# Altium PCB AI Gateway - Carrier.PcbDoc (part 3 of 3) (continued)
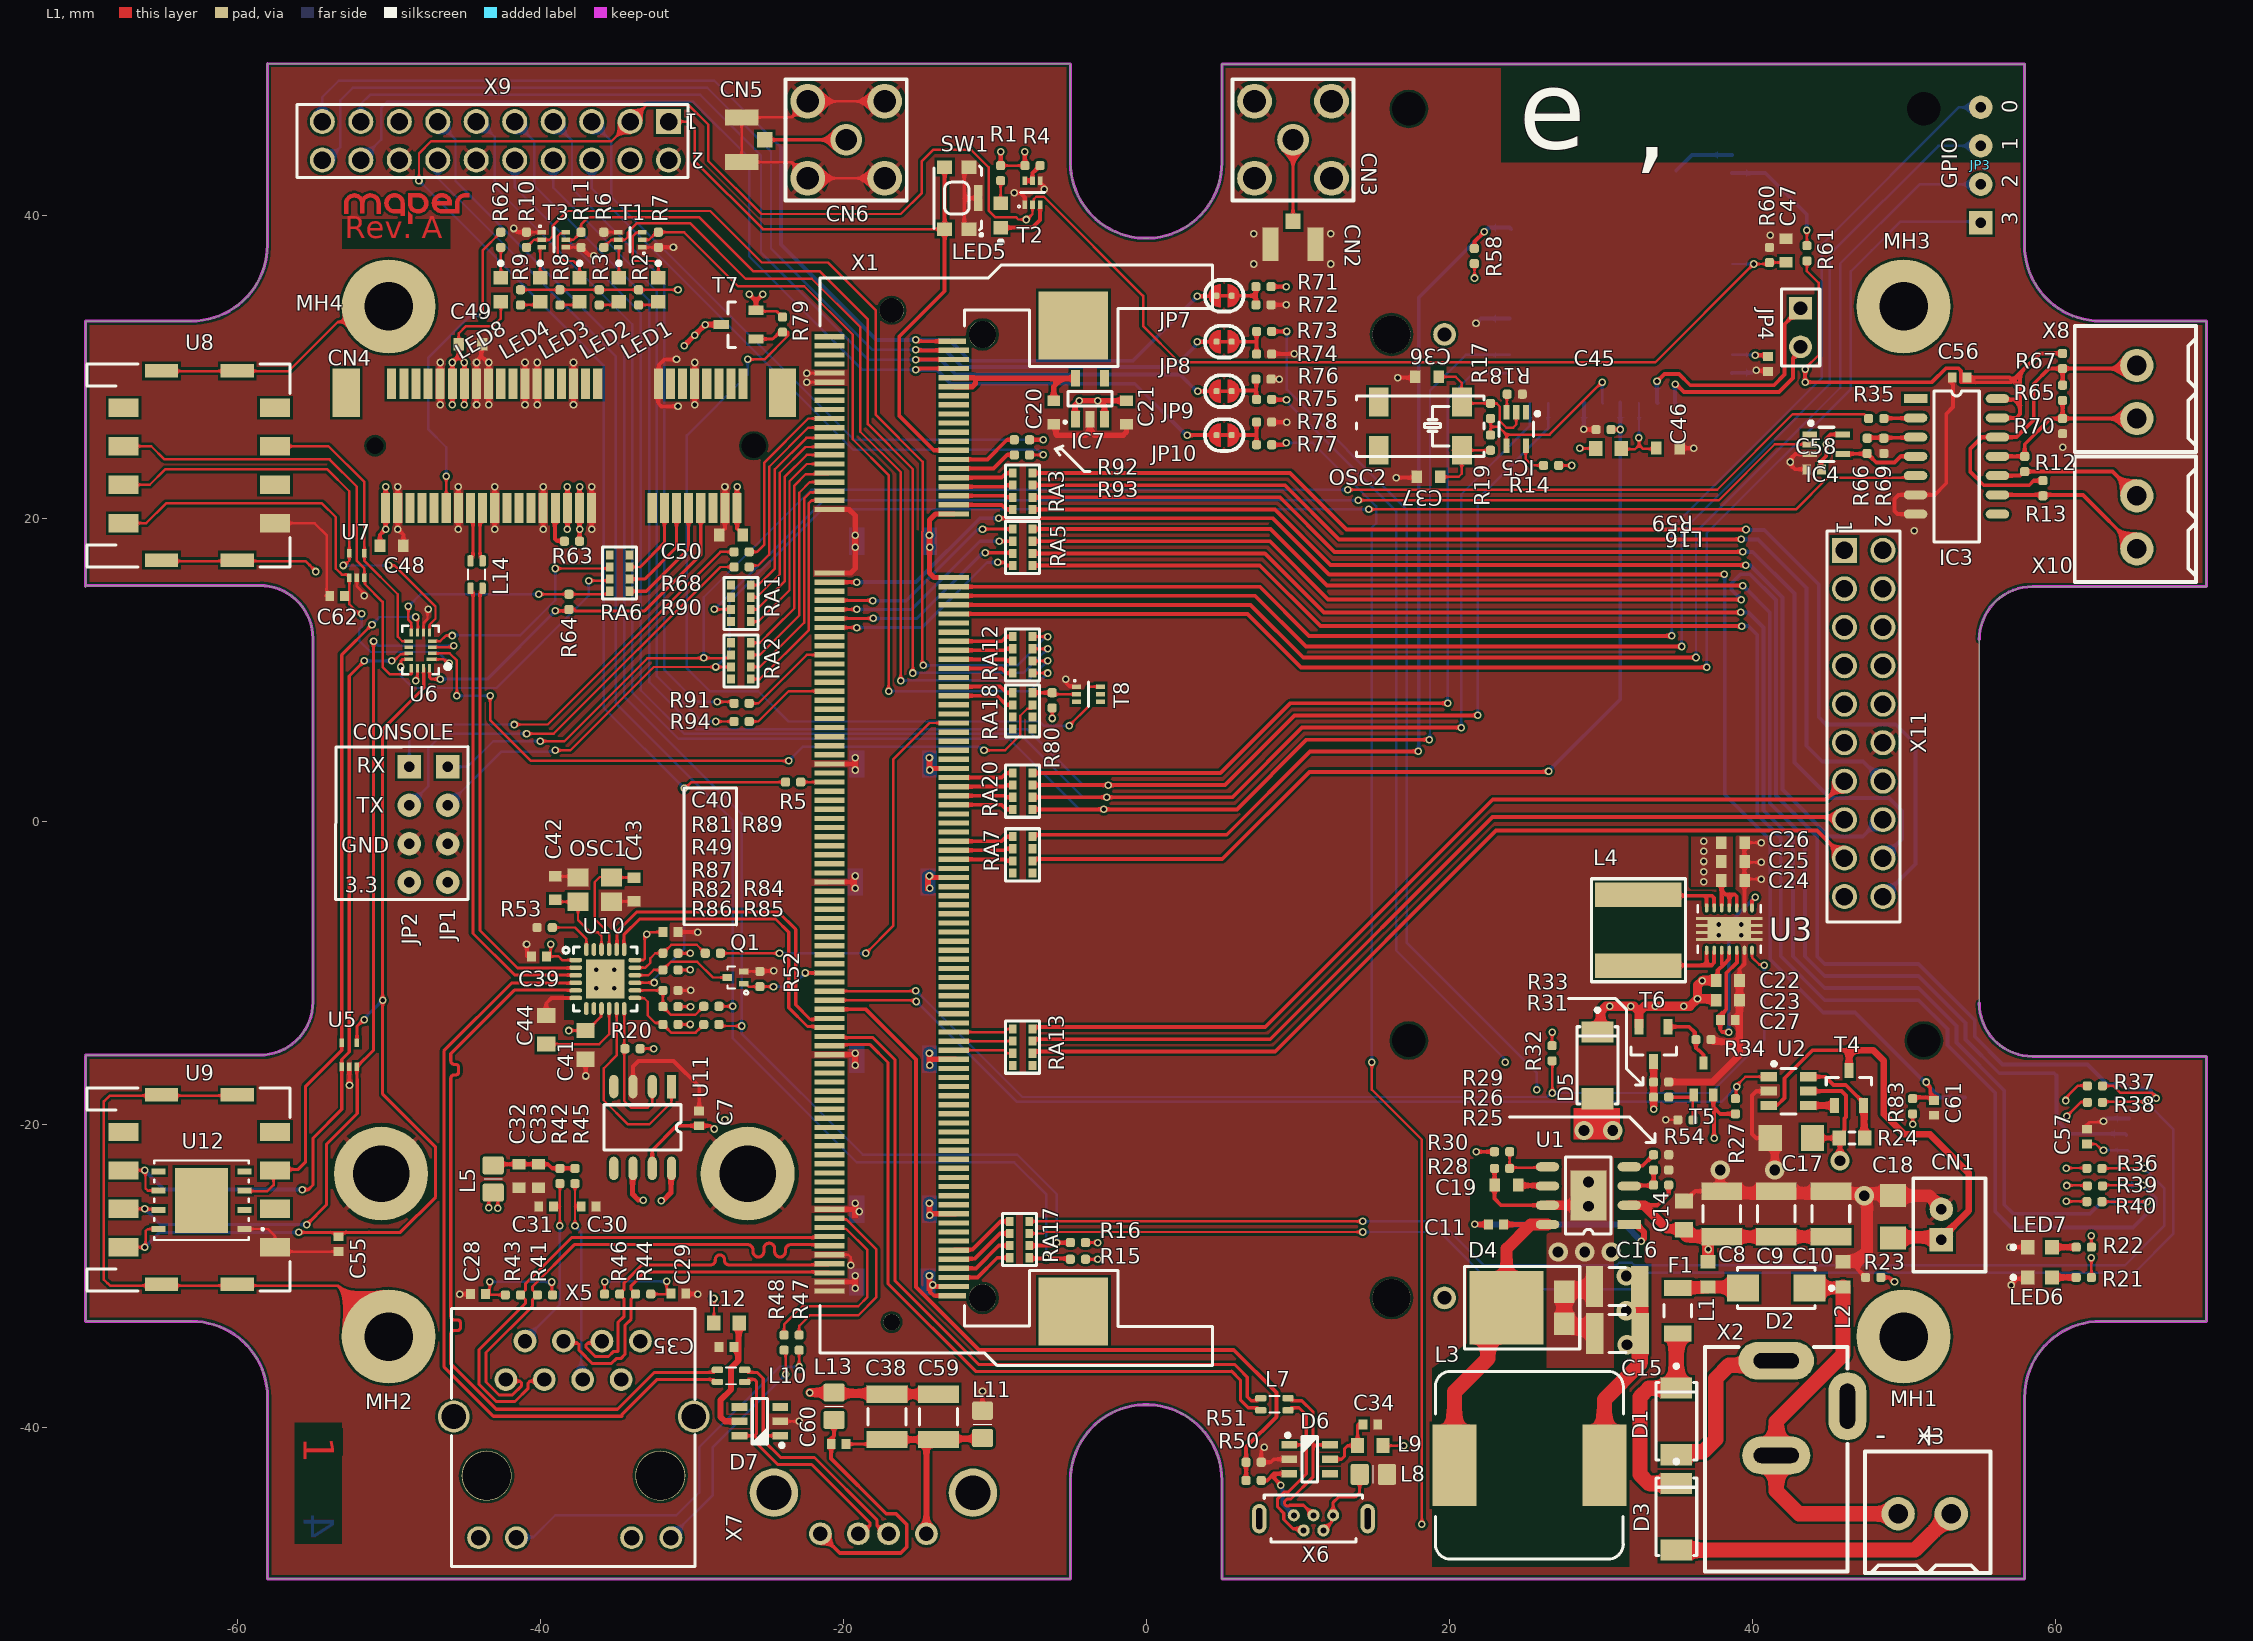
[diagram p0: L1 view]
## Nets (pads, with @x,y where several pads share a name; then routed paths per layer and width w, separated by ;. In a path a pad name is that pad's centre, name@x,y a point inside that pad or via, vN(x,y) a via of type N, cw(c..) or ccw(c..) an arc to the next point about the centre after c; other vN are vias at no path point) (continued)
UART_A_RXD_S: RA2.6 X1.33 | length 14.7
  L1 w0.16: RA2.6@-26.1,11 -25.5,11 -22.9,13.6 -22.9,21.7 -22.2,22.4 X1.33@-20.9,22.4
UART_A_TXD_S: RA2.7 X1.35 | length 14.8
  L1 w0.16: RA2.7@-26.1,10.2 -25.5,10.2 -22.58,13.12 -22.58,21.32 -22.18,21.72 -20.98,21.72 X1.35@-20.9,21.8
UART_B_CTS_S: RA3.1 X1.32 | length 3.9
  L1 w0.254: X1.32@-12.6,22.7 -9.525,22.7 -9.225,23 RA3.1@-8.8,23
UART_B_RTS_S: RA3.2 X1.34 | length 3.8
  L1 w0.254: X1.34@-12.6,22.1 -9.325,22.1 -9.225,22.2 RA3.2@-8.8,22.2
UART_B_RXD_S: RA3.3 X1.36 | length 3.8
  L1 w0.254: X1.36@-12.6,21.5 -9.325,21.5 -9.225,21.4 RA3.3@-8.8,21.4
UART_B_TXD_S: RA3.4 X1.38 | length 3.9
  L1 w0.254: X1.38@-12.6,20.9 -9.525,20.9 -9.225,20.6 RA3.4@-8.8,20.6
UART_C_RXD: JP2.1 R68.1 | length 28.3
  L1 w0.16: v1(-41.7,6.4) -39.5,6.4 -28.1,17.8 R68.1@-27.2,17.8
  L4 w0.16: JP2.1@-48.64,3.61 -48.64,5.36 -47.6,6.4 v1(-41.7,6.4)
UART_C_RXD_S: R68.2 X1.19 | length 12.1
  L1 w0.16: R68.2@-26.2,17.8 -25.694,17.8 -25.2,18.294 -25.2,23.7 -22.3,26.6 X1.19@-20.9,26.6
UART_C_TXD: JP2.2 R90.1 | length 29.4
  L1 w0.16: v1(-40.9,5.8) -39.1,5.8 -28.1,16.8 R90.1@-27.2,16.8
  L4 w0.16: JP2.2@-48.64,1.07 -47.4,2.31 -47.4,4.8 -46.4,5.8 v1(-40.9,5.8)
UART_C_TXD_S: R90.2 X1.21 | length 12.5
  L1 w0.16: R90.2@-26.2,16.8 -26.1,16.9 -25.6,16.9 -24.88,17.62 -24.88,23.42 -22.3,26 X1.21@-20.9,26
USB2_C_N: D7.6 L10.3 X7.2 | length 16.9
  L1 w0.206: D7.6@-26.85,-40.55 -25.85,-40.55 ; L10.3@-26.5,-37 -26.334,-37 -26.163,-36.83 -25.862,-36.83 -25.73,-36.962 -25.73,-40.43 -25.85,-40.55 ; X7.2@-19,-47.02 -18.786,-47.02 -18.23,-46.464 -18.23,-46.293 -22.076,-42.447 -24.314,-42.447 -25.73,-41.031 -25.73,-40.67 -25.85,-40.55
USB2_C_P: D7.1 L10.2 X7.3 | length 17.7
  L1 w0.206: L10.2@-26.5,-36.2 -26.334,-36.2 -26.163,-36.37 -25.672,-36.37 -25.27,-36.772 -25.27,-40.43 -25.15,-40.55 ; D7.1@-24.15,-40.55 -25.15,-40.55 ; X7.3@-17,-47.02 -17.214,-47.02 -17.77,-46.464 -17.77,-46.103 -21.886,-41.988 -24.123,-41.988 -25.27,-40.841 -25.27,-40.67 -25.15,-40.55
USB_C_DET: R50.2 R51.1 X1.137 | length 55.4
  L1 w0.254: X1.137@-20.9,-12.4 -18.5,-12.4 -15.184,-15.716 -15.184,-30.722 -11.019,-34.887 5.787,-34.887 8.6,-37.7 8.6,-39.3 6.6,-41.3 R51.1@6.6,-42.3 R50.2@6.6,-43.5
USB_OC: R20.2 U10.12 U11.2 | length 9.4
  L1 w0.16: U10.12@-34.45,-12.35 -34.45,-18.45 -34,-18.9 -32.9,-18.9 -32.6,-18.6 U11.2@-32.6,-17.5
USB_P_EN: Q1.3 R49.1 U10.16 | length 6.9
  L1 w0.16: U10.16@-33.75,-10.15 -32.85,-10.15 -32.5,-9.8 R49.1@-31.9,-9.8 -31.36,-9.26 -29.64,-9.26 -28.6,-10.3 Q1.3@-27.645,-10.3
USB_P_ENn: Q1.1 R52.1 X1.129 | length 6.1
  L1 w0.16: Q1.1@-26.556,-10.7 -26.437,-10.7 -26.237,-10.9 R52.1@-25.5,-10.9 -24.6,-10.9 v1(-24.597,-10.897)
  L1 w0.206: v1(-22.5,-10) X1.129@-20.9,-10
  L4 w0.16: v1(-24.597,-10.897) -23.397,-10.897 v1(-22.5,-10)
USB_PWR_EN: U10.11 U11.1 | length 13.2
  L1 w0.16: U10.11@-34.95,-12.35 -34.95,-15.45 -35.8,-16.3 -35.8,-18.4 -34.2,-20 -32.8,-20 -31.33,-18.53 U11.1@-31.33,-17.5
USBA_N: CN4.36 L14.3 | length 3.6
  L1 w0.206: L14.3@-43.8,17.2 -43.8,17.366 -43.97,17.536 -43.97,18.947 -43.97,20.53 CN4.36@-43.8,20.7
USBA_P: CN4.38 L14.2 | length 3.6
  L1 w0.206: L14.2@-44.6,17.2 -44.6,17.366 -44.43,17.536 -44.43,19.137 -44.43,20.53 CN4.38@-44.564,20.664
USBC_B_N: D6.1 L7.3 X6.2 | length 12.3
  L1 w0.206: L7.3@9.37,-38.87 9.536,-38.87 9.707,-38.7 10.095,-38.7 10.57,-39.175 10.57,-41.73 10.57,-43.076 9.38,-44.267 9.115,-44.267 9.071,-44.31 8.682,-44.7 8.682,-45.251 9.087,-45.656 9.087,-46.075 9.699,-46.686 10.286,-46.686 X6.2@10.4,-46.8 ; D6.1@9.45,-41.15 10.284,-41.15 10.404,-41.27 10.57,-41.27
USBC_B_P: D6.6 L7.2 X6.3 | length 12.5
  L1 w0.206: L7.2@9.37,-38.07 9.536,-38.07 9.707,-38.241 10.285,-38.241 11.03,-38.985 11.03,-41.27 ; X6.3@11.05,-45.8 10.387,-45.137 9.475,-45.137 9.432,-45.181 9.261,-45.181 9.141,-45.06 9.141,-44.89 9.261,-44.77 9.305,-44.726 9.57,-44.726 11.03,-43.266 11.03,-41.271 ; D6.6@12.15,-41.15 11.15,-41.15 11.03,-41.271
USBC_N: L7.4 X1.145 | length 48.6
  L1 w0.206: X1.145@-20.9,-14.8 -20.83,-14.73 -18.22,-14.73 -17.038,-15.913 -17.038,-30.513 -11.25,-36.3 5.65,-36.3 6.219,-36.869 6.219,-38.177 6.742,-38.7 7.234,-38.7 7.404,-38.87 L7.4@7.57,-38.87 ; 5.641,-36.291 6.219,-36.869
USBC_P: L7.1 X1.143 | length 47.8
  L1 w0.206: X1.143@-20.9,-14.2 -20.83,-14.27 -18.03,-14.27 -16.578,-15.722 -16.578,-30.322 -11.06,-35.84 5.84,-35.84 6.1,-36.1 6.678,-36.679 6.678,-37.987 6.932,-38.241 7.234,-38.241 7.404,-38.07 L7.1@7.57,-38.07
USBH1_N: L10.4 U10.4 | length 52
  L1 w0.206: U10.4@-37.65,-10.65 -37.668,-10.668 -38.01,-10.668 -38.012,-10.67 -41.89,-10.67 -46.359,-15.139 -46.359,-35.99 -43.09,-39.259 -34.61,-39.259 -34.61,-39.164 -32.275,-36.83 -28.637,-36.83 -28.466,-37 L10.4@-28.3,-37
USBH1_P: L10.1 U10.5 | length 52
  L1 w0.206: U10.5@-37.65,-11.15 -37.668,-11.132 -38.01,-11.132 -38.012,-11.13 -41.7,-11.13 -45.9,-15.33 -45.9,-15.458 -45.9,-15.818 ccw(c-45.688,-15.818) -45.688,-16.03 -45.59,-16.03 cw(c-45.59,-16.242) -45.379,-16.242 -45.379,-16.524 cw(c-45.59,-16.524) -45.59,-16.736 -45.688,-16.736 ccw(c-45.688,-16.947) -45.9,-16.947 -45.9,-17.756 -45.9,-32.208 -45.9,-32.687 ccw(c-45.688,-32.687) -45.688,-32.899 -45.468,-32.899 cw(c-45.468,-33.111) -45.257,-33.111 -45.257,-33.393 cw(c-45.468,-33.393) -45.468,-33.605 -45.688,-33.605 ccw(c-45.688,-33.816) -45.9,-33.816 -45.9,-34.625 -45.9,-35.8 -42.9,-38.8 -34.895,-38.8 -32.466,-36.37 -28.637,-36.37 -28.466,-36.2 L10.1@-28.3,-36.2
USBH2_N: L14.4 U10.2 | length 30
  L1 w0.206: L14.4@-43.8,15.4 -43.8,15.234 -43.97,15.063 -43.97,-7.2 -41.5,-9.67 -38.012,-9.67 -38.01,-9.668 -37.668,-9.668 U10.2@-37.65,-9.65
USBH2_P: L14.1 U10.3 | length 30.8
  L1 w0.206: L14.1@-44.6,15.4 -44.6,15.234 -44.43,15.063 -44.43,-7.39 -41.688,-10.132 -37.668,-10.132 U10.3@-37.65,-10.15
USBH_N: U10.19 X1.141 | length 20.9
  L1 w0.206: U10.19@-34.45,-8.45 -34.468,-8.432 -34.468,-8.09 -34.47,-8.088 -34.47,-7.47 -33.433,-6.433 -24.467,-6.433 -23.587,-7.313 -23.587,-12.296 -22.353,-13.53 -20.97,-13.53 X1.141@-20.9,-13.6
USBH_P: U10.20 X1.139 | length 21.6
  L1 w0.206: U10.20@-34.95,-8.45 -34.932,-8.432 -34.932,-8.09 -34.93,-8.088 -34.93,-7.28 -33.623,-5.974 -24.277,-5.974 -23.128,-7.123 -23.128,-12.105 -22.163,-13.07 -20.97,-13.07 X1.139@-20.9,-13
V_SNS: R24.1 T4.2 U2.6 | length 6.7
  L1 w0.254: U2.6@43.7,-16.85 44.85,-16.85 45.386,-17.386 46.186,-17.386 47.4,-18.6 47.4,-18.7 T4.2@47.35,-18.75 T4.2@47.4,-18.8
  L1 w0.45: R24.1@47.4,-20.85 T4.2@47.4,-18.8
VBATT: C18.2 CN1.1 R31.1 R33.2 R75.2 T4.3 T6.3 U2.3 | length 96.6
  L1 w0.254: R75.2@8.292,27.86 8.303,27.849 9.258,27.849 v1(9.269,27.838) ; U2.3@41.15,-18.7 41.7,-18.7 42.15,-18.25 42.15,-16.95 44,-15.1 46.4,-15.1
  L1 w0.45: v1(33.5,-19) R31.1@33.5,-18.2 T6.3@33.5,-15.85 ; U2.3@41.1,-18.75 U2.3@41.15,-18.7 ; T4.3@46.4,-16.45 46.4,-15.1 48,-15.1 48.7,-15.8 48.7,-19.3 50.05,-20.65 51.75,-20.65 54.3,-23.2 54.3,-25.7 CN1.1@52.552,-27.448
  L1 w0.8: C18.2@49.3,-27.497 49.348,-27.448 CN1.1@52.552,-27.448
  L3/PWR w0.16: v1(23.7,-15.9) 32.4,-15.9 33.5,-17 v1(33.5,-19)
  L4 w0.16: v1(9.269,27.838) 9.269,27.746 9.402,27.613 9.402,27.598 16.5,20.5 16.5,-8.5 23.7,-15.7 v1(23.7,-15.9)
VCC_USB1: D6.3 R50.1 X6.1 | length 5.3
  L1 w0.254: R50.1@7.6,-43.5 8,-43.5 8.45,-43.05 ; v1(8.885,-43.807) 8.885,-43.785 8.45,-43.35 8.45,-43.05 ; D6.3@9.45,-43.05 8.45,-43.05
  L4 w0.254: v1(8.885,-43.807) 8.932,-43.855 8.932,-44.032 9,-44.1 9,-45.05 X6.1@9.75,-45.8
VCC_USB2: C60.2 L13.1 X7.1 | length 17
  L1 w0.254: X7.1@-21.5,-47.02 -20.22,-48.3 -16.2,-48.3 -15.8,-47.9 -15.8,-46.4 -16.5,-45.7 -17.15,-45.7 -20.79,-42.06 C60.2@-20.79,-41.1 ; C60.2@-20.85,-40.8 -20.6,-40.55 L13.1@-20.6,-39.5
VDD_ANALOG: C20.2 IC7.5 X1.10 X1.12 | length 11.6
  L1 w0.35: X1.10@-12.7,29.3 -11.367,29.3 -11.262,29.195 -11.262,28.905 -11.467,28.7 -11.772,28.7 X1.12@-12.6,28.7 ; -11.317,29.25 -5.55,29.25 ; C20.2@-6.1,27.775 -6.1,28.7 -5.55,29.25 ; IC7.5@-4.65,29.25 -5.55,29.25
VMODEM: C48.1 C49.1 C50.1 CN4.2 CN4.20 CN4.22 CN4.39 CN4.41 CN4.52 LED8.2 R63.1 T7.3 | length 29.5
  L1 w0.16: C49.1@-45.375,31.5 -45.375,32.225 -44.9,32.7 -43.1,32.7 -42.6,33.2 LED8.2@-42.6,34.3 ; CN4.39@-45.1,28.8 CN4.39@-45,28.9
  L1 w0.254: C48.1@-50.575,18.2 -50.575,18.925 v1(-50.2,19.3) CN4.52@-50.2,20.7 v1(-50.2,22.1) ; v1(-45.8,27.5) CN4.41@-45.8,28.9 v1(-45.8,30.3) -45.375,30.725 ; C49.1@-45.375,31.5 -45.375,30.725 ; v1(-45,27.5) CN4.39@-45,28.9 v1(-45,30.3) -45,30.35 -45.375,30.725 ; v1(-38.2,19.3) CN4.22@-38.2,20.7 v1(-38.2,22.1) ; R63.1@-37.4,18.5 v1(-37.4,19.3) CN4.20@-37.4,20.7 v1(-37.4,22.1) ; v1(-27,22.1) CN4.2@-27,20.7 -27,19.347 -26.851,19.198 -26.848,19.198 -26.625,18.975 C50.1@-26.625,18.9
  L1 w0.35: v1(-30.5,31.4) v1(-29.8,32.1) -29.1,32.8 v1(-29.097,32.8) T7.3@-28.05,32.8
VSYS: C22.2 C23.2 D5.1 T6.2 U3.10 U3.11 X9.15 X11.11 | length 163.5
  L1 w0.254: C22.2@37.66,-10.359 37.729,-10.29 37.729,-9.843 38.171,-9.4 ; U3.10@38,-8.6 38,-9.4 38.171,-9.4 ; U3.11@38.5,-8.6 38.487,-8.613 38.487,-9.084 38.171,-9.4
  L1 w0.6: D5.1@29.8,-13.9 30,-13.7 30,-12.551 30.351,-12.2 v1(30.6,-12.2) v1(32,-12.2) 32.199,-12.2 32.55,-12.551 ; T6.2@32.55,-13.55 32.55,-12.551 ; C23.2@37.625,-11.8 37.625,-11.75 37.575,-11.7 v1(36.4,-11.7) ; C22.2@37.625,-10.5 v1(36.7,-10.5) 36.4,-10.8 v1(36.4,-11.7) ; 32.55,-12.551 32.901,-12.2 v1(33.6,-12.2) v1(35.5,-12.2) 35.9,-12.2 v1(36.4,-11.7)
  L3/PWR w0.8: X9.15@-49.3,46.2 -49.3,47.6 -48.5,48.4 -30.6,48.4 -29.4,47.2 -29.4,41.3 -27.7,39.6 -13.02,39.6 -11.8,40.82 -11.8,43.9 -10.2,45.5 -7.3,45.5 -5.9,44.1 -5.9,40.3 -3.3,37.7 42.934,37.7 46.025,34.609 46.025,21.725 43.7,19.4 43.7,6.1 44.6,5.2 X11.11@46.1,5.2
WIFI_CLK: IC5.4 R17.1 R19.2 U4.20 | length 12.2
  L1 w0.16: R19.2@22.735,25.505 22.735,26.055 ; R17.1@22.735,26.605 22.735,26.055 ; IC5.4@23.785,24.805 23.785,25.538 ; v1(30.1,29) 26.638,25.538 23.785,25.538 ; 22.735,26.055 23.268,26.055 23.785,25.538
  L4 w0.16: v1(30.1,29) 30.1,27.66 U4.20@30.14,27.62
WIFI_EN: R59.2 RA7.7 U4.19 | length 63.4
  L1 w0.16: R59.2@30.7,25.875 v1(31.3,25.875)
  L1 w0.254: RA7.7@-7.5,-2.6 -7.373,-2.473 5.027,-2.473 10.775,3.275 26.342,3.275 26.345,3.278 26.519,3.278 v1(26.566,3.325)
  L4 w0.254: v1@26.542,3.301 31.3,8.059 v1(31.3,25.875) U4.19@31.3,27.66
WIFI_INT: R58.1 RA7.5 U4.33 | length 67.2
  L1 w0.254: RA7.5@-7.5,-1 -7.373,-0.873 5.327,-0.873 10.825,4.625 v1(17.966,4.625) ; R58.1@21.665,37.826 21.679,37.84 21.679,38.279 v1(22.325,38.925)
  L4 w0.254: v1@18,4.601 18,4.625 18,34.6 v1(22.325,38.925) 22.6,39.2 U4.33@24,39.2 U4.33@24.1,39.1
WIFI_nRST: RA7.6
WIFI_VCC_FILT: C45.2 L16.1 U4.18 | length 5.3
  L1 w0.16: L16.1@31.365,24.625 31.415,24.575 32.276,24.575 32.551,24.849 ; v1(32.536,25.339) 32.551,25.324 32.551,24.849 ; C45.2@33.675,24.65 33.625,24.6 32.8,24.6 32.551,24.849
  L4 w0.16: v1(32.536,25.339) 32.536,27.616 U4.18@32.54,27.62
WWAN_ENn: R80.1 RA18.5 T8.2 | length 3
  L1 w0.16: R80.1@-6.2,8.5 -6.1,8.4 T8.2@-4.59,8.4
  L1 w0.254: RA18.5@-7.5,8.5 R80.1@-6.2,8.5
XTAL1: C36.2 IC5.2 OSC2.1 R17.2 | length 9.5
  L1 w0.16: C36.2@19.31,29.355 20.435,29.355 20.835,28.955 20.835,27.655 OSC2.1@21.035,27.455 ; OSC2.1@20.335,27.605 R17.2@22.735,27.605 23.135,27.605 23.345,27.395 23.345,26.431 23.771,26.005 24.235,26.005 24.435,26.205 IC5.2@24.435,27.005
XTAL2: C37.2 OSC2.4 R19.1 | length 5.6
  L1 w0.16: C37.2@19.41,22.755 20.635,22.755 20.835,22.955 20.835,24.455 OSC2.4@20.935,24.355 ; OSC2.4@20.235,24.505 R19.1@22.735,24.505
XTALIN: C42.2 OSC1.3 U10.22 | length 5.6
  L1 w0.16: C42.2@-39,-5.175 -38.875,-5.3 OSC1.3@-37.5,-5.3 -37.5,-6.1 -37.5,-6.5 -36.675,-7.325 -36.175,-7.325 -35.95,-7.55 U10.22@-35.95,-8.45
XTALOUT: C43.2 OSC1.1 U10.21 | length 7.6
  L1 w0.16: U10.21@-35.45,-8.45 -35.45,-7.38 -36.4,-6.43 -36.4,-5.7 -36.4,-4 -36.066,-3.666 -35.334,-3.666 OSC1.1@-35.3,-3.7 -33.825,-3.7 C43.2@-33.8,-3.725
pads on no net: CN4. CN4.1 CN4.3 CN4.5 CN4.6 CN4.7 CN4.11 CN4.13 CN4.16 CN4.17 CN4.19 CN4.23 CN4.25 CN4.28 CN4.30 CN4.31 CN4.32 CN4.33 CN4.44 CN4.45 CN4.46 CN4.47 CN4.48 CN4.49 CN4.51 CN4.H1 CN4.H2 D6.4 D7.3 D7.4 IC3.1 IC3.8 IC4.1 IC5.1 IC7.4 OSC2.2 OSC2.3 RA6.4 RA6.8 RA7.4 RA7.8 RA13.4 RA13.8 RA18.3 RA18.4 RA18.7 RA18.8 T8.3 T8.4 T8.5 U4.3 U4.4 U4.5 U4.6 U4.14 U4.15 U4.22 U4.27 U4.29 U4.30 U4.31 U4.32 U4.34 U4.35 U6.10 U8.4 U8.6 U8.8 U9.4 U9.6 U9.8 U10.7 U10.8 U10.23 U11.4 U11.5 U12.0 U12.2 U12.4 U12.5 X1. X1.1 X1.3 X1.5 X1.7 X1.13 X1.14 X1.15 X1.16 X1.17 X1.18 X1.20 X1.22 X1.24 X1.45 X1.52 X1.54 X1.55 X1.57 X1.61 X1.63 X1.64 X1.65 X1.69 X1.70 X1.71 X1.72 X1.73 X1.75 X1.76 X1.77 X1.78 X1.79 X1.80 X1.81 X1.82 X1.85 X1.89 X1.91 X1.93 X1.94 X1.95 X1.96 X1.97 X1.98 X1.99 X1.101 X1.103 X1.105 X1.106 X1.107 X1.110 X1.111 X1.112 X1.113 X1.114 X1.115 X1.116 X1.117 X1.118 X1.119 X1.120 X1.121 X1.122 X1.123 X1.124 X1.125 X1.126 X1.127 X1.128 X1.130 X1.131 X1.132 X1.134 X1.136 X1.138 X1.140 X1.149 X1.150 X1.151 X1.152 X1.153 X1.154 X1.155 X1.156 X1.157 X1.158 X1.159 X1.160 X1.161 X1.162 X1.163 X1.164 X1.165 X1.166 X1.167 X1.168 X1.169 X1.170 X1.171 X1.172 X1.173 X1.174 X1.175 X1.176 X1.177 X1.178 X1.179 X1.180 X1.184 X1.186 X1.188 X2.3 X4.S1 X5. X5.7 X11.0 X11.1 X11.2 X11.3 X11.4 X11.5 X11.6 X11.7 X11.8 X11.9 X11.10 X11.19

## Polygon pours and split planes (outlines as drawn)
GND on L3/PWR "GND_L03_P019" (solid, pour order 19): -70,-33 -63,-33 cw(c-63,-38) -58,-38 -58,-50 -5,-50 -5,-43.5 cw(c0,-43.5) 5,-43.5 5,-50 58,-50 58,-38 cw(c63,-38) 63,-33 70,-33 70,-15.5 58.5,-15.5 cw(c58.5,-12) 55,-12 55,12 cw(c58.5,12) 58.5,15.5 69.987,15.5 69.987,33.036 62.987,33.036 cw(c62.987,38.036) 57.987,38.036 57.987,50 5,50 5,43.5 cw(c0,43.5) -5,43.5 -5,50.036 -58.013,50.036 -58.013,38.036 cw(c-63.013,38.036) -63.013,33.036 -70,33.036 -70,15.577 -58.504,15.577 cw(c-58.504,12.077) -55.004,12.077 -55.004,-11.923 cw(c-58.504,-11.923) -58.504,-15.423 -70.004,-15.423 -70,-15.5
VSYS on L3/PWR "VSYS_L03_P012" (solid, pour order 12): 27.8,-8.2 42,-8.2 42,6.655 47.393,6.655 47.393,3.964 44.96,3.964 44.96,-10.34 41.75,-13.55 27.8,-13.55
5V on L3/PWR "5V_L03_P015" (solid, pour order 15): 26.785,-45.6 32,-45.6 33.834,-45.6 33.894,-23.468 46.569,-23.495 46.575,-20.425 32,-20.425 32,-17.4 25.5,-17.4 25.5,-22.326 31.015,-22.326 31.015,-37.085 26.785,-37.085 26.785,-45.196
3.3V on L3/PWR "3.3V_L03_P017" (solid, remove dead copper, pour order 17): 34.992,-15.423 27.577,-15.423 27.577,-8.008 38.8,-8.008 38.8,24.9 45.6,24.9 45.6,32.1 40.975,36.725 -7.3,36.725 -7.3,44.9 -10.3,44.9 -10.3,37.8 -29.4,37.8 -32.7,41.1 -32.7,44.9 -35.5,44.9 -35.5,33.8 -35.5,33.6 -24.117,33.498 -22.027,31.3 -22.023,12.077 -24.5,9.6 -50.3,9.6 -50.3,4.5 -50.3,4.3 -50.3,-6.1 -40.2,-6.1 -39.6,-6.7 -39.6,-14.5 -38,-14.5 -38,-20.8 -38.5,-21.3 -44.1,-21.3 -44.1,-26.2 -44.7,-26.8 -44.7,-48 -33.3,-48 -33,-48 -33,-47.5 -33.1,-36.2 -34.569,-34.6 -34.6,-17.4 -21.5,-17.4 -21.4,-17.3 -16.8,-21.9 -16.8,-33.6 -0.8,-33.6 -0.8,-15.5 26.2,-15.5
VBATT on L3/PWR "VBATT_L03_P014" (solid, pour order 14): 54.1,-29.1 54.1,-20.9 49.601,-20.9 49.601,-15.773 32.2,-15.773 32.2,-20.374 47.183,-20.374 47.183,-29.083 47.2,-29.1
3.3V on L3/PWR "3.3V_L03_P018" (solid, remove dead copper, pour order 18): 49.717,-15.5 55.744,-15.423 57.6,-17.3 63.496,-17.4 63.496,-28.1 59.8,-28.1 59.8,-20.7 49.719,-20.7 49.653,-15.5
VMODEM on L3/PWR "VMODEM_L03_P016" (solid, pour order 16): -51.3,18.6 -50.537,18.6 -24.3,18.6 -24.3,33.4 -35.691,33.447 -35.691,31.4 -47.606,31.4 -47.5,22.925 -51.3,22.925
VSYS on L3/PWR "VSYS_L03_P020" (solid, pour order 20): 38.3,-9.937 38.3,-13.5 28.5,-13.5 28.5,-10.8 28.5,-9.937 37.7,-9.937
GND on L1 "GND_L01_P022" (solid, pour order 22): -70,-33 -63,-33 cw(c-63,-38) -58,-38 -58,-50 -5,-50 -5,-43.5 cw(c0,-43.5) 5,-43.5 5,-50 58,-50 58,-38 cw(c63,-38) 63,-33 70,-33 70,-15.5 58.5,-15.5 cw(c58.5,-12) 55,-12 55,12 cw(c58.5,12) 58.5,15.5 69.987,15.5 69.987,33.036 62.987,33.036 cw(c62.987,38.036) 57.987,38.036 57.987,50 5,50 5,43.5 cw(c0,43.5) -5,43.5 -5,50.036 -58.013,50.036 -58.013,38.036 cw(c-63.013,38.036) -63.013,33.036 -70,33.036 -70,15.577 -58.504,15.577 cw(c-58.504,12.077) -55.004,12.077 -55.004,-11.923 cw(c-58.504,-11.923) -58.504,-15.423 -70.004,-15.423 -70,-15.5
3.3V on L1 "3.3V_L01_P021" (solid, pour order 21): 38.2,-4.3 38.201,-4.299 38.735,-4.299 38.735,-1 36,-1 36,-4.3 36.001,-4.299 38.735,-4.299
GND on L4 "GND_L04_P011" (solid, remove dead copper, pour order 11): -70,-33 -63,-33 cw(c-63,-38) -58,-38 -58,-50 -5,-50 -5,-43.5 cw(c0,-43.5) 5,-43.5 5,-50 58,-50 58,-38 cw(c63,-38) 63,-33 70,-33 70,-15.5 58.5,-15.5 cw(c58.5,-12) 55,-12 55,12 cw(c58.5,12) 58.5,15.5 69.987,15.5 69.987,33.036 62.987,33.036 cw(c62.987,38.036) 57.987,38.036 57.987,50 5,50 5,43.5 cw(c0,43.5) -5,43.5 -5,50.036 -58.013,50.036 -58.013,38.036 cw(c-63.013,38.036) -63.013,33.036 -70,33.036 -70,15.577 -58.504,15.577 cw(c-58.504,12.077) -55.004,12.077 -55.004,-11.923 cw(c-58.504,-11.923) -58.504,-15.423 -70.004,-15.423 -70,-15.5
GND on L2/GND (split plane): 353 vertices, not listed, extent -69.49,-49.49 69.49,49.526

## Keep-outs
Keep-Out Layer:
  lines w0.16: -58.013,50.036 -5.036,50.036
  lines w0.2: -70.013,33.036 -63.013,33.036 ccw(c-63.013,38.036) -58.013,38.036 -58.013,50.036 ; -70.004,-15.423 -58.504,-15.423 ccw(c-58.504,-11.923) -55.004,-11.923 -55.004,12.077 ccw(c-58.504,12.077) -58.504,15.577 -70.004,15.577 ; -70,-15.5 -70,-33 -63,-33 cw(c-63,-38) -58,-38 -58,-50 -5,-50 -5,-43.5 cw(c0,-43.5) 5,-43.5 5,-50 58,-50 58,-38 cw(c63,-38) 63,-33 70,-33 70,-15.5 58.5,-15.5 cw(c58.5,-12) 55,-12 ; -70,15.5 -70,33.023 ; -5,50 -5,43.5 ccw(c0,43.5) 5,43.5 5,50 57.987,50 57.987,38.036 ccw(c62.987,38.036) 62.987,33.036 69.987,33.036 69.987,15.513 ; 55,12 cw(c58.5,12) 58.5,15.5 70,15.5

## Other copper
L1:
  rectangle net 5V: 28.2,-21 31.3,-18.9
  region net 3.3V: -14.1,18.7 -14.5,18.7 -14.5,17.6 -14.1,17.6
  rectangle net GND: -19.4,17.9 -19,19
  rectangle net 3.3V: -14.5,17.9 -14.1,19
  rectangle net GND: -19.4,3.2 -19,4.3
  rectangle net 3.3V: -14.5,3.2 -14.1,4.3
  rectangle net GND: -19.5,-4.6 -19.1,-3.5
  rectangle net 3.3V: -14.6,-4.6 -14.2,-3.5
  rectangle net GND: -19.4,-16.3 -19,-15.2
  rectangle net 3.3V: -14.5,-16.3 -14.1,-15.2
  rectangle net GND: -19.4,-31 -19,-29.9
  rectangle net 3.3V: -14.5,-31 -14.1,-29.9
  rectangle net 3.3V: -14.5,-26.2 -14.1,-25.1
  rectangle net GND: -19.4,-26.2 -19,-25.1
  region: -46.859,40.667 -45.82,40.667 -45.82,40.825 ccw(c-46.462,40.825) -46.462,41.466 -46.52,41.466 ccw(c-46.52,40.84) -47.146,40.84 -47.146,40.804 ccw(c-46.483,40.804) -46.483,40.141 -45.343,40.141 -45.343,40.806 cw(c-44.945,40.806) -44.945,41.204 -44.677,41.204 -44.677,41.465 -44.914,41.465 -44.942,41.465 ccw(c-44.942,40.799) -45.609,40.799 -45.609,40.404 -46.444,40.404 -46.487,40.404 cw(c-46.487,40.777) -46.859,40.777 -46.859,40.845 cw(c-46.501,40.846) -46.501,41.204 cw(c-46.461,40.883) -46.262,41.138 cw(c-46.43,40.845) -46.103,40.933 -46.859,40.933
  region: -48.719,39.472 -48.454,39.472 -48.454,40.058 cw(c-48.131,40.647) -48.719,40.324 -48.719,40.325
  region: -52.931,40.133 -52.931,40.818 cw(c-52.278,40.807) -51.743,41.184 cw(c-51.202,40.801) -50.539,40.821 -50.535,40.818 -50.535,40.133 -50.801,40.133 -50.801,40.818 -50.799,40.819 ccw(c-51.2,40.79) -51.602,40.818 -51.602,40.138 -51.863,40.138 -51.863,40.818 ccw(c-52.264,40.79) -52.666,40.818 -52.666,40.133
  region: -48.719,41.466 -48.022,41.466 cw(c-48.022,40.837) -47.394,40.837 -47.394,40.769 cw(c-48.023,40.769) -48.023,40.14 -48.076,40.14 cw(c-48.076,40.783) -48.719,40.783 -48.719,41.203 -48.457,41.203 -48.457,40.783 ccw(c-48.077,40.783) -48.077,40.403 -48.056,40.403 ccw(c-48.056,40.803) -47.656,40.803 ccw(c-48.056,40.803) -48.056,41.204 -48.719,41.204
  region: -49.216,40.406 -49.617,40.406 cw(c-49.617,40.803) -50.015,40.803 cw(c-49.612,40.803) -49.612,41.206 -49.593,41.206 cw(c-49.593,40.827) -49.213,40.827 -49.213,40.406 -48.951,40.406 -48.951,40.826 ccw(c-49.593,40.826) -49.593,41.468 -49.649,41.468 ccw(c-49.649,40.841) -50.276,40.841 -50.276,40.805 ccw(c-49.614,40.805) -49.614,40.143 -49.214,40.143 -49.214,39.972 -48.951,39.972 -48.951,40.407
  pour cut-out: -38.4,-7.7 -33.1,-7.7 -33.1,-13.1 -38.4,-13.1
  pour cut-out: 21.414,-22.3 26.42,-22.3 27.39,-22.3 27.39,-27.109 26.4,-27.109 26.42,-36.1 30.9,-36.1 30.9,-29.212 31.9,-29.212 31.9,-36.1 31.9,-49.2 18.9,-49.2 18.9,-36.1 21.344,-34.347 21.371,-29.759
  pour cut-out: 25.9,-28.7
  pour cut-out: 30.9,-22.223 32.9,-22.223 32.9,-29.19 30.9,-29.19
  pour cut-out: 29.4,-7.18
  pour cut-out: 29.5,-3.9 35.5,-3.9 35.5,-10.5 29.5,-10.5
  pour cut-out: 23.425,50 57.987,50 57.987,43.475 23.425,43.475
  pour cut-out: -53.105,-39.7 -53.096,-47.669 -56.2,-47.669 -56.2,-39.7
  region net USB_C_DET: 6.6,-42.3
  region: 31.4,-19.7
  text "Rev. A" at -52.9,38 h2.5
  text "1" at -55.6,-40.6 h2 r270
L3/PWR:
  pour cut-out: 23.425,50 57.987,50 57.987,43.475 23.425,43.475
  pour cut-out: -53.104,-39.9 -53.096,-47.669 -56.2,-47.669 -56.2,-39.9
  text "3" at -55.5,-45.4 h2 r270
L4:
  rectangle net GND: -19.6,17.6 -18.6,19.4
  rectangle net 3.3V: -14.8,17.6 -13.8,19.4
  rectangle net GND: -19.6,-31.3 -18.6,-29.5
  rectangle net 3.3V: -14.9,-31.3 -13.9,-29.5
  rectangle net GND: -19.6,-26.5 -18.6,-24.7
  rectangle net 3.3V: -14.8,-26.5 -13.8,-24.7
  rectangle net GND: -19.6,-16.6 -18.6,-14.8
  rectangle net 3.3V: -14.8,-16.6 -13.8,-14.8
  rectangle net GND: -19.7,-4.9 -18.7,-3.1
  rectangle net 3.3V: -14.9,-4.9 -13.9,-3.1
  rectangle net 3.3V: -14.8,2.9 -13.8,4.7
  rectangle net GND: -19.6,2.9 -18.6,4.7
  pour cut-out: 23.425,50 57.987,50 57.987,43.475 23.425,43.475
  region net ETH_CT_TX: -38.7,-26.7
  pour cut-out: -53.104,-39.716 -53.095,-47.7 -56.2,-47.7 -56.2,-39.716
  text "4" at -55.6,-47.4 h2 r270
L2/GND (plane layer: these items are gaps in the copper):
  pour cut-out: 23.425,50 57.987,50 57.987,43.475 23.425,43.475
  pour cut-out: -53.105,-43.533 -53.1,-47.7 -56.2,-47.7 -56.2,-43.533
  pour cut-out: -53.105,-39.7 -53.103,-41.5 -56.2,-41.5 -56.2,-39.7
  text "2" at -55.6,-41.8 h2 r270

## Silkscreen, mask and mechanical layers (free items; w line width, h text height)
Top Overlay:
  circle w0.3: c-46.1,10.225 r0.15
  lines w0.15: -49.1,10.125 -49.1,9.725 ; -49.1,12.525 -49.1,12.925 ; -48.7,9.725 -49.1,9.725 ; -48.7,12.925 -49.1,12.925 ; -47.1,9.725 -46.7,9.725 ; -47.1,12.925 -46.7,12.925 ; -46.7,10.125 -46.7,9.725 ; -46.7,12.525 -46.7,12.925 ; -49.1,9.725 -49.1,9.725 ; -49.1,12.925 -49.1,12.925 ; -46.7,9.725 -46.7,9.725 ; -46.7,12.925 -46.7,12.925
  lines w0.2: -30.5,2.2 -30.5,-6.8 -27.05,-6.825 -27.05,2.2 -30.45,2.2 ; -5.5,24.8 -6,24.6 ; -3.7,23.1 -4.088,23.1 -4.683,23.696 -5.588,24.6 -6,24.6 ; 24,-19.5 31.9,-19.5 33.6,-21.2 ; 27.9,-11.7 31,-11.7 31.7,-12.4 31.7,-16.3 32.8,-17.4 ; 32.3,-17.4 32.8,-17.4 ; 33,-21.2 33.6,-21.2 ; -6,24.6 -5.7,24.2 -6,24.6 ; 32.8,-17.4 32.8,-16.9 32.8,-17.4 ; 33.6,-21.2 33.6,-20.6 33.6,-21.2 ; -53.5,-5.15 -44.75,-5.15 -44.75,4.95 -53.475,4.9 -53.5,-5.15
  text "0" at 57.546,46.754 h1 r90
  text "1" at 57.546,44.287 h1 r90
  text "e" at 24.6,42.7 h9
  text "," at 32.2,41.9 h9
  text "2" at 57.546,41.821 h1 r90
  text "GPIO" at 53.546,41.754 h1 r90
  text "3" at 57.546,39.354 h1 r90
  text "CONSOLE" at -52.371,5.404 h1
  text "RX" at -52.121,3.204 h1
  text "TX" at -52.121,0.571 h1
  text "GND" at -53.121,-2.063 h1
  text "3.3" at -52.896,-4.696 h1
  text "-   +" at 48.15,-41.2 h1.5
Top Solder:
  region: -49.216,40.406 -49.617,40.406 cw(c-49.617,40.803) -50.015,40.803 cw(c-49.612,40.803) -49.612,41.206 -49.593,41.206 cw(c-49.593,40.827) -49.213,40.827 -49.213,40.406 -48.951,40.406 -48.951,40.826 ccw(c-49.593,40.826) -49.593,41.468 -49.649,41.468 ccw(c-49.649,40.841) -50.276,40.841 -50.276,40.805 ccw(c-49.614,40.805) -49.614,40.143 -49.214,40.143 -49.214,39.972 -48.951,39.972 -48.951,40.407
  region: -48.719,41.466 -48.022,41.466 cw(c-48.022,40.837) -47.394,40.837 -47.394,40.769 cw(c-48.023,40.769) -48.023,40.14 -48.076,40.14 cw(c-48.076,40.783) -48.719,40.783 -48.719,41.203 -48.457,41.203 -48.457,40.783 ccw(c-48.077,40.783) -48.077,40.403 -48.056,40.403 ccw(c-48.056,40.803) -47.656,40.803 ccw(c-48.056,40.803) -48.056,41.204 -48.719,41.204
  region: -52.931,40.133 -52.931,40.818 cw(c-52.278,40.807) -51.743,41.184 cw(c-51.202,40.801) -50.539,40.821 -50.535,40.818 -50.535,40.133 -50.801,40.133 -50.801,40.818 -50.799,40.819 ccw(c-51.2,40.79) -51.602,40.818 -51.602,40.138 -51.863,40.138 -51.863,40.818 ccw(c-52.264,40.79) -52.666,40.818 -52.666,40.133
  region: -48.719,39.472 -48.454,39.472 -48.454,40.058 cw(c-48.131,40.647) -48.719,40.324 -48.719,40.325
  region: -46.859,40.667 -45.82,40.667 -45.82,40.825 ccw(c-46.462,40.825) -46.462,41.466 -46.52,41.466 ccw(c-46.52,40.84) -47.146,40.84 -47.146,40.804 ccw(c-46.483,40.804) -46.483,40.141 -45.343,40.141 -45.343,40.806 cw(c-44.945,40.806) -44.945,41.204 -44.677,41.204 -44.677,41.465 -44.914,41.465 -44.942,41.465 ccw(c-44.942,40.799) -45.609,40.799 -45.609,40.404 -46.444,40.404 -46.487,40.404 cw(c-46.487,40.777) -46.859,40.777 -46.859,40.845 cw(c-46.501,40.846) -46.501,41.204 cw(c-46.461,40.883) -46.262,41.138 cw(c-46.43,40.845) -46.103,40.933 -46.859,40.933
  text "Rev. A" at -52.9,38 h2.5
Mechanical 3:
  lines w0.1: 10.8,-0.3 10.8,23.1
Mechanical 7:
  circle w0.2: c-49.9,-9.7 r1.25
  circle w0.2: c0,0 r0.5
  circle w0.2: c0,34 r1.25
  circle w0.2: c0,-34 r1.25
  circle w0.2: c-50.9,24.8 r1.25
  circle w0.2: c50,36.006 r1.25
  circle w0.2: c50,-34 r1.25
  circle w0.2: c50,0 r1.25
  circle w0.2: c-50,-34 r1.25
  circle w0.2: c10.4,205.15 r0.5
  circle w0.2: c-49.6,165.15 r1.25
  circle w0.2: c10.4,245.15 r1.25
  circle w0.2: c-49.6,245.15 r1.25
  circle w0.2: c-49.6,205.15 r1.25
  circle w0.2: c10.4,165.15 r1.25
  circle w0.2: c70.4,165.15 r1.25
  circle w0.2: c70.4,205.15 r1.25
  circle w0.2: c70.4,245.15 r1.25
  lines w0.16: -58.013,50.036 -5.036,50.036
  lines w0.2: -70.013,33.036 -63.013,33.036 ccw(c-63.013,38.036) -58.013,38.036 -58.013,50.036 ; -70.004,-15.423 -58.504,-15.423 ccw(c-58.504,-11.923) -55.004,-11.923 -55.004,12.077 ccw(c-58.504,12.077) -58.504,15.577 -70.004,15.577 ; -70,-15.5 -70,-33 -63,-33 cw(c-63,-38) -58,-38 -58,-50 -5,-50 -5,-43.5 cw(c0,-43.5) 5,-43.5 5,-50 58,-50 58,-38 cw(c63,-38) 63,-33 70,-33 70,-15.5 58.5,-15.5 cw(c58.5,-12) 55,-12 55,12 cw(c58.5,12) 58.5,15.5 70,15.5 ; -70,15.5 -70,33.023 ; -5,50 -5,43.5 ccw(c0,43.5) 5,43.5 5,50 57.987,50 57.987,38.036 ccw(c62.987,38.036) 62.987,33.036 69.987,33.036 69.987,15.513 ; 8.4,205.15 12.4,205.15 ; 10.4,203.15 10.4,207.15 ; -72.1,161.15 -72.1,189.65 -62.6,189.65 ccw(c-62.6,193.15) -59.1,193.15 -59.1,217.15 ccw(c-62.6,217.15) -62.6,220.65 -72.1,220.65 -72.1,249.15 -64.1,249.15 ccw(c-64.1,254.15) -59.1,254.15 -59.1,265.15 5.4,265.15 5.4,258.65 ccw(c10.4,258.65) 15.4,258.65 15.4,265.15 79.9,265.15 79.9,254.15 ccw(c84.9,254.15) 84.9,249.15 92.9,249.15 92.9,220.65 83.4,220.65 ccw(c83.4,217.15) 79.9,217.15 79.9,193.15 ccw(c83.4,193.15) 83.4,189.65 84.9,189.65 92.9,189.65 92.9,161.15 84.9,161.15 ccw(c84.9,156.15) 79.9,156.15 79.9,145.15 15.4,145.15 15.4,151.65 ccw(c10.4,151.65) 5.4,151.65 5.4,145.15 -59.1,145.15 -59.1,156.15 ccw(c-64.1,156.15) -64.1,161.15 -72.1,161.15
  lines w0.254: -2,0 2,0 ; 0,-2 0,2

## Text inside footprints (layer, text, board x,y; h text height)
X4: Mechanical 15 "ejected" at 74.7,-20.08 h1 r90; Mechanical 15 "locked" at 71.6,-20.08 h1 r90; Mechanical 15 "push to insert/eject" at 70.6,-20.08 h1 r90
X9: Top Overlay "1" at -29.579,46.722 h1 r180; Top Overlay "2" at -29.156,44.152 h1 r180
X11: Top Overlay "1" at 45.578,19.841 h1 r270; Top Overlay "2" at 48.148,20.264 h1 r270